# Altium PCB ADC130MSPS-V1-01.PcbDoc (part 7 of 7)
Units mil, origin at the board's own origin, x right, y up, seen from the top; angles counter-clockwise.
Board outline 3011.81 x 2716.54 mil, 8 copper layers (Top Layer, GND1, L3, GND2, L5, GND3, POWER, Bottom Layer), stack 53.051 mil thick; 405 components, 449 nets, 2142 pads, 1651 vias.
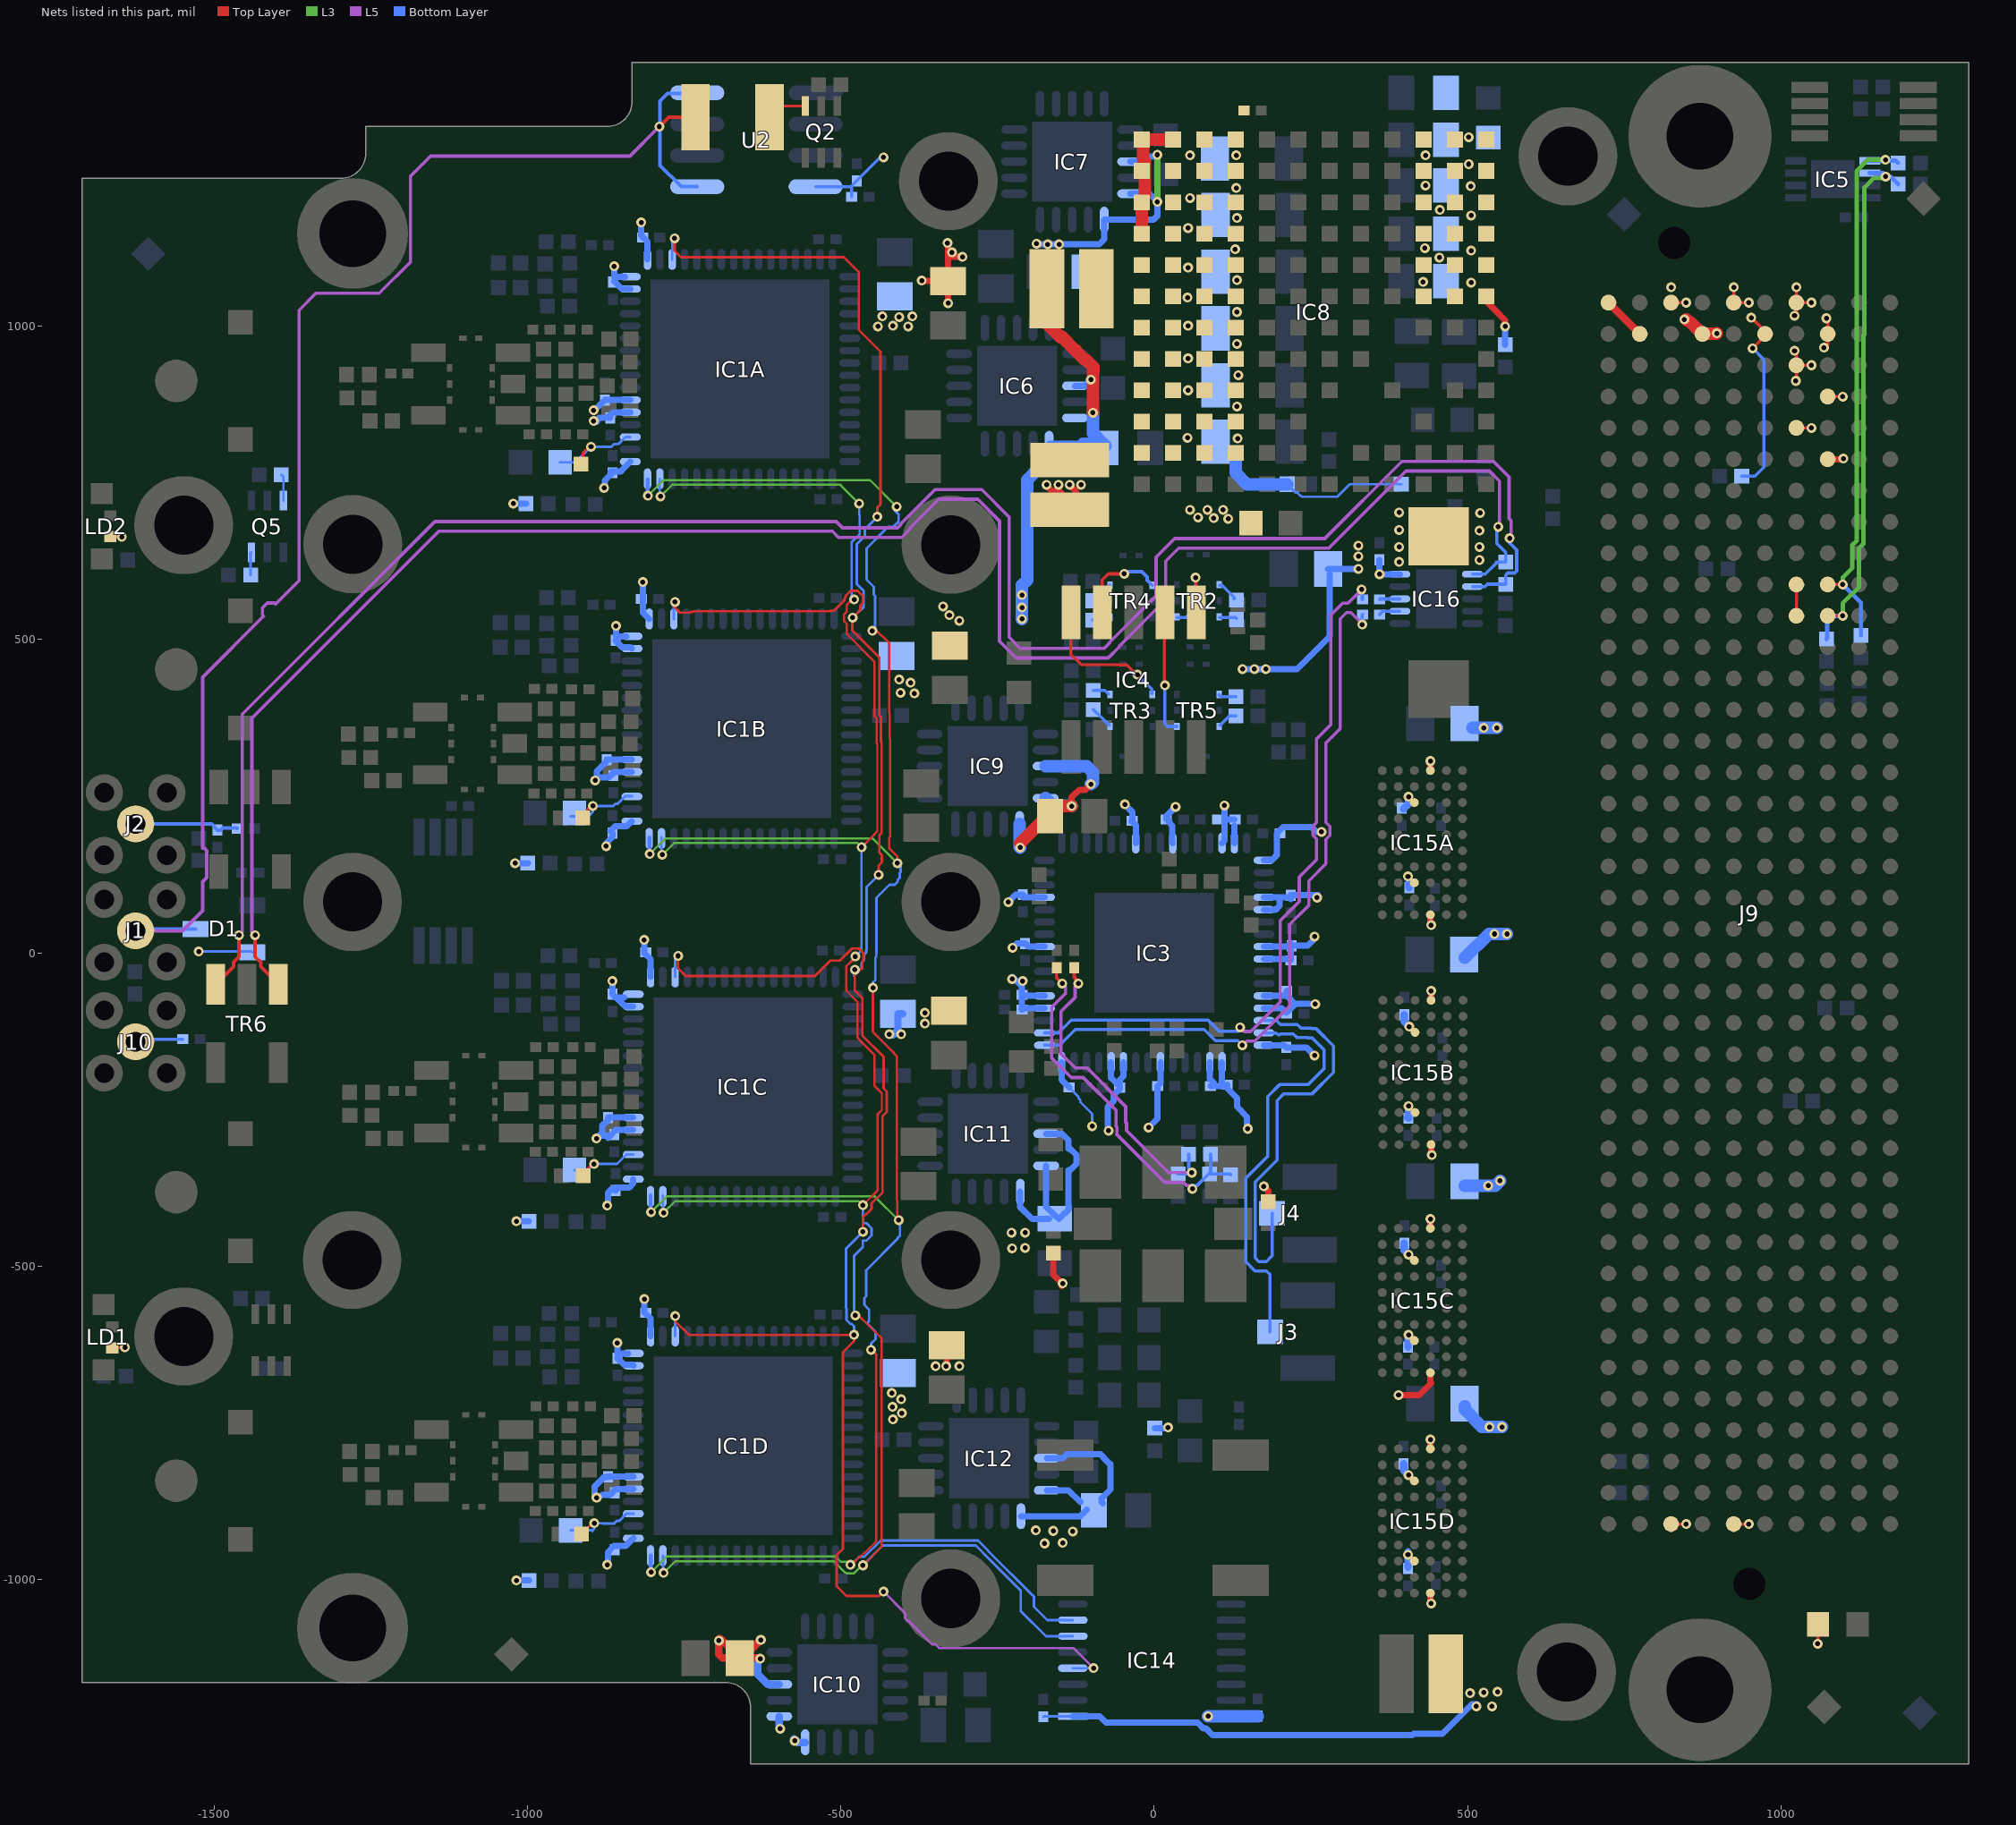
[diagram p13: the nets of this part, all layers, seen from the top]

## Via types
v1: diameter 15.75, hole 7.87, Top Layer to Bottom Layer, tented both sides, 1222 vias
v2: diameter 19.68, hole 7.87, Top Layer to Bottom Layer, tented both sides, 285 vias
v3: diameter 15.75, hole 7.87, Top Layer to Bottom Layer, 144 vias

## Nets (pads, with @x,y where several pads share a name; then routed paths per layer and width w, separated by ;. In a path a pad name is that pad's centre, name@x,y a point inside that pad or via, vN(x,y) a via of type N, cw(c..) or ccw(c..) an arc to the next point about the centre after c; other vN are vias at no path point) (continued)
NetQ2_6: Q2.6 R87.1 | length 64.4
  Top Layer w4: R87.1@-613.94,1334 -595.94,1352 Q2.6@-557,1352
NetQ5_3: Q5.3 R84.1 | length 36.8
  Bottom Layer w4: R84.1@-1442.28,603 -1442.28,638.22 Q5.3@-1441.18,639.32
NetQ5_6: Q5.6 R85.1 | length 42.6
  Bottom Layer w4: R85.1@-1393.39,763.15 -1390,759.76 Q5.6@-1390,722
P1V8: C21A.2 C21B.2 C21C.2 C21D.2 C22A.2 C22B.2 C22C.2 C22D.2 C92.2 IC10.1 IC10.3 IC10.20 IC15A.A3 IC15A.C4 IC15A.H4 IC15A.K3 IC15B.A3 IC15B.C4 IC15B.H4 IC15B.K3 IC15C.A3 IC15C.C4 IC15C.H4 IC15C.K3 IC15D.A3 IC15D.C4 IC15D.H4 IC15D.K3 L4A.1 L4B.1 L4C.1 L4D.1 | length 696.9
  Top Layer w10: v1(390,-706) 423,-706 442,-687 440.8,-685.79 IC15C.A3@440.8,-670.37 ; IC15D.A3@440.8,-1022.38 440.8,-1037.8 v1(442,-1039) ; IC15D.K3@440.8,-792.06 440.8,-784.27 440.75,-784.23 441,-783.98 v1(441,-777) ; IC15C.K3@440.8,-440.06 440.8,-432.27 440.75,-432.22 441,-431.97 v1(441,-425) ; IC15A.A3@440.8,60.62 440.8,45.2 v1(442,44) ; IC15A.K3@440.8,290.94 440.8,298.73 440.75,298.77 441,299.02 v1(441,306) ; IC15B.A3@441.82,-306.22 441.82,-321.64 v1(443.02,-322.84) ; IC15B.K3@441.82,-75.91 441.82,-68.12 441.77,-68.07 442.02,-67.82 v1(442.02,-60.84)
  Top Layer w12: v1(-629,-1127) -630,-1126 C92.2@-657,-1126 ; v1(-628,-1097) C92.2@-657,-1126 ; C92.2@-661.57,-1126 -689,-1126 -694,-1121 -695,-1120 v1(-695,-1098) -695,-1097 -695,-1095 -692.57,-1095 C92.2@-661.57,-1126 ; C92.2@-661.57,-1126 C92.2@-657,-1126
  Bottom Layer w12: v1(-629,-1127) -633,-1127 -633,-1152 -617,-1168 IC10.3@-598.52,-1168 ; IC10.1@-598.52,-1219.18 -598.52,-1237.48 v1(-597,-1239) ; v1(-574,-1258) -574,-1256 -575,-1255 -569.48,-1260.52 IC10.20@-557.18,-1260.52 ; v1@-417,-131 -409.08,-123.08 L4C.1@-409.08,-97.56 L4C.1@-401.44,-97.56 ; C22D.2@398,-815.78 398,-826 v1(406,-834) ; C22A.2@398,229.78 406,237.78 v1(406,249) ; C22C.2@399,-463.78 399,-475 v1@403,-479 ; C22B.2@399,-98.78 399,-109.82 v1(407.02,-117.84) ; v1@404,-962 v1@405,-963 ; C21B.2@404.78,-263 C21B.2@406,-264.22 v1(406.02,-244.84) ; C21D.2@405,-981 v1@405,-956.78 ; C21C.2@405,-629.22 405,-613 v1@407,-611 ; v1(405,122) 407,120 C21A.2@407,103.78
  other v1: 405,-961 -417,-745 -403,-735 -418,-725 -404,-713 -419,-703 406,-610 406,-482 -423,-130 -404,-130 -383,414 -405,415 -389,431 -407,436 -441,1000 -393,1000 -417,1001 -407,1015 -434,1016 -386,1016
P3V3: C37.2 C103.1 C104.1 D1.2 IC14.1 J9.c39 J9.d36 J9.d38 J9.d40 L9.1 LD1.2 LD2.2 R74.1 U2.8 | length 1245.3
  Top Layer w4: LD2.2@-1666.22,664.27 -1648.27,664.27 v1(-1648,664) ; LD1.2@-1663.22,-630.73 -1643.73,-630.73 v1(-1643,-630)
  Top Layer w5: v1(1022,961) 1024.92,958.08 J9.d38@1024.92,938.01 ; v1(1022,1017) 1024.92,1019.92 J9.d40@1024.92,1038.01 ; v1(1024,913) 1024.92,913.92 J9.d38@1024.92,938.01 ; J9.d36@1024.92,838.01 v1(1049,838) ; v1(1024.92,1062.48) J9.d40@1024.92,1038.01 ; v1(1049,938) J9.d38@1024.92,938.01 ; v1(1049,1038) J9.d40@1024.92,1038.01 ; v1(1059,-1103) 1059.5,-1102.5 R74.1@1059.5,-1072 ; v1(1069,966) 1074.92,971.92 J9.c39@1074.92,988.01 1074.92,1011.08 v1(1073,1013)
  Bottom Layer w4: v1(-1525,2) -1441.13,2 D1.2@-1439.72,0.6 ; C37.2@-177,-1219.78 -176.22,-1219 IC14.1@-130,-1219
  Bottom Layer w5: U2.8@-540.51,1223 -484.22,1223 ; C103.1@-482.78,1207 -482.78,1221.56 -484.22,1223 ; v1(-432,1270) -437.22,1270 C104.1@-475,1232.22 -484.22,1223
  Bottom Layer w10: IC14.1@-130,-1219 -87,-1219 -77,-1229 69.13,-1229 78.13,-1238 82,-1238 93,-1249 412,-1249 414,-1247 460,-1247 507,-1200 v1@516,-1200
  other v1: 514,-1203 539,-1203 504,-1182 526,-1181 548,-1180
P3V3_ADC1: C14A.2 C15A.2 C16A.2 C17A.2 C18A.2 IC1A.1 IC1A.5 IC1A.6 IC1A.15 IC1A.16 IC1A.17 L3.2 R13A.1 | length 517.8
  Top Layer w10: v1(-371,1073) -370.43,1072.43 L3.2@-329,1072.43 ; v1(-330,1133) -329,1132 -329,1111 ; v1(-329,1037) L3.2@-329,1072.43 ; v1(-306,1111) -329,1111 ; L3.2@-329,1072.43 -329,1111
  Bottom Layer w10: v1(-1023,717) R13A.1@-1002.72,717 ; v1@-896,866 v1(-895,866) -893.26,866 C17A.2@-876.87,882.39 -876.74,882.52 IC1A.6@-836.39,882.52 ; v1(-895,849) v1@-891,849 ; v1@-890,848 v1@-891,849 ; v1(-878,742) -877,743 -877,754.22 C14A.2@-865,766.22 -867.3,768.52 -851.48,768.52 -850,770 -850,770.49 IC1A.1@-836.39,784.09 ; C18A.2@-868,853.78 C18A.2@-873.32,853.78 ; C16A.2@-862.05,1071.78 -849.96,1059.69 IC1A.15@-836.39,1059.69 ; v1(-861.91,1096) -861.91,1079.05 IC1A.16@-844.95,1079.05 ; IC1A.5@-836.39,862.83 -864.27,862.83 C18A.2@-873.32,853.78 ; v1(-818.91,1166) -818.68,1165.78 -818.68,1145 -808.98,1135.3 -808.98,1107.08 IC1A.17@-808.83,1106.93 ; v1@-891,849 -886.22,853.78 C18A.2@-873.32,853.78
  other v1: -323,1118
P3V3_ADC2: C14B.2 C15B.2 C16B.2 C17B.2 C18B.2 IC1B.1 IC1B.5 IC1B.6 IC1B.15 IC1B.16 IC1B.17 L6.2 R13B.1 | length 351.5
  Bottom Layer w10: v1(-1020.28,143) R13B.1@-1000,143 ; v1@-890,279 -890,290 -874.16,305.84 C17B.2@-874.16,308.39 -874.02,308.52 IC1B.6@-833.68,308.52 ; -883.5,279.78 -870.61,279.78 -861.55,288.83 IC1B.5@-833.68,288.83 ; v1(-875,170) -875,175 -865,185 C14B.2@-865,191.22 -868.14,194.36 -860.58,201.92 -841.85,201.92 IC1B.1@-833.68,210.09 ; v1(-859.19,522) -859.19,505.05 IC1B.16@-842.24,505.05 ; IC1B.15@-833.68,485.69 -836.07,488.08 -849.63,488.08 C16B.2@-859.34,497.78 ; v1(-816.19,592) -815.97,591.78 -815.97,542.78 IC1B.17@-806.12,532.93 ; C16B.2@-859.34,497.78 -860,498.44 C16B.2@-860,498.78 -859.34,498.11 C16B.2@-859.34,497.78
  other v1: -892.28,275 -311,530 -327,539 -337,553
P3V3_ADC3: C14C.2 C15C.2 C16C.2 C17C.2 C18C.2 IC1C.1 IC1C.5 IC1C.6 IC1C.15 IC1C.16 IC1C.17 L12.2 R13C.1 | length 363.1
  Bottom Layer w10: v1(-1018.2,-428.57) R13C.1@-997.92,-428.57 ; v1@-886,-292 -881,-287 -881,-276 -872.08,-267.08 C17C.2@-872.08,-263.19 -871.95,-263.06 IC1C.6@-831.6,-263.06 ; -881.43,-291.8 C18C.2@-868.53,-291.8 ; v1(-873.2,-403.57) -872.2,-402.57 -872.2,-383.35 C14C.2@-864.31,-375.46 ; -872.08,-295.35 C18C.2@-868.53,-291.8 ; v1(-865,-45) C16C.2@-865,-66.22 -860,-71.22 C16C.2@-858.78,-71.22 ; C14C.2@-860,-379.78 C14C.2@-855.33,-375.11 ; C14C.2@-853.98,-375 -838,-375 -831.6,-368.6 IC1C.1@-831.6,-361.48 ; -846.27,-71.22 C16C.2@-858.78,-71.22 ; IC1C.5@-831.6,-282.74 -859.47,-282.74 C18C.2@-868.53,-291.8 ; IC1C.15@-831.6,-85.89 -843.71,-85.89 -846.94,-82.65 -847.35,-82.65 C16C.2@-858.78,-71.22 ; v1(-814.11,20.43) -813.89,20.2 -813.89,-0.57 -804.19,-10.28 -804.19,-38.5 IC1C.17@-804.04,-38.65
  other v1: -890.2,-296.57 -366,-113 -366,-96
P3V3_ADC4: C14D.2 C15D.2 C16D.2 C17D.2 C18D.2 IC1D.1 IC1D.5 IC1D.6 IC1D.15 IC1D.16 IC1D.17 L13.2 R13D.1 | length 393.2
  Top Layer w10: v1(-332,-660) -331,-659 L13.2@-331,-626.57
  Bottom Layer w10: v1(-1018.09,-1002) R13D.1@-997.81,-1002 ; v1(-890.09,-870) -893.22,-866.87 -893.22,-852.28 -877.56,-836.61 C17D.2@-871.97,-836.61 -871.84,-836.48 IC1D.6@-831.49,-836.48 ; -881.32,-865.22 -868.42,-865.22 -859.36,-856.17 IC1D.5@-831.49,-856.17 ; v1(-873.09,-977) -872.09,-976 -872.09,-956.78 -862.39,-947.08 -843.66,-947.08 IC1D.1@-831.49,-934.91 ; C16D.2@-857.15,-647.22 C16D.2@-857,-647.22 -857,-647.37 -846.45,-657.92 -832.88,-657.92 IC1D.15@-831.49,-659.31 ; v1(-857,-623) -857,-639.95 IC1D.16@-840.05,-639.95 ; v1(-814,-553) -813.78,-553.22 -813.78,-574 -804.08,-583.7 -804.08,-611.92 IC1D.17@-803.93,-612.07
  other v1: -349,-660 -311,-660
P3V3_CLK: C50.1 C59.2 C60.2 C61.2 C62.2 C63.2 C64.2 C65.2 C66.2 C67.2 C68.2 C69.2 C70.2 C71.2 C72.2 C105.2 C106.2 C107.2 C108.2 C109.2 C110.2 IC3.4 IC3.5 IC3.9 IC3.13 IC3.23 IC3.26 IC3.30 IC3.31 IC3.33 IC3.36 IC3.37 IC3.40 IC3.41 IC3.44 IC3.45 IC3.48 IC3.51 IC3.52 IC3.56 IC3.59 IC3.60 IC3.64 IC16.10 L7.2 L8.1 R49.2 R50.2 | length 2226.5
  Top Layer w10: R49.2@-161,-479.72 -161,-514 -147,-528 v1@-147,-531 ; v1@-148,-532 v1@-147,-531 ; v1(-146,-528) -146,-530 v1@-147,-531 ; v1(175,-373) 182,-380 R50.2@182,-397.28 ; v1@256,23 v1(256,26)
  Bottom Layer w4: C107.2@-135.78,-215 -121,-229.78 -121,-232 -118.22,-234.78 -118.22,-237.92 -116.87,-239.27 -116.87,-239.33 -99,-257.21 v1(-99,-277)
  Bottom Layer w10: v3(-233,81) -221.22,92.78 C60.2@-210,92.78 ; v1(-227,-42) -227,-38.87 -226.13,-38.87 -211.22,-53.78 ; v1(-226,8) -219.22,14.78 C69.2@-206,14.78 -201.06,9.84 IC3.9@-175.2,9.84 ; v1(-210,-45) -210,-46 -211.22,-47.22 -211.22,-53.78 ; C60.2@-210,88.58 IC3.13@-175.2,88.58 ; IC3.4@-175.2,-88.58 -208.8,-88.58 C59.2@-211.22,-91 -211.22,-70.8 C68.2@-209.32,-68.9 ; IC3.5@-175.2,-68.9 C68.2@-209.32,-68.9 ; IC3.64@-147.64,-175.2 -147.64,-203.14 C107.2@-135.78,-215 ; v1(-73,-284) -74,-283 -74,-246 -65,-237 -65,-227.29 -55.12,-217.41 C108.2@-55.12,-215.32 C108.2@-55.12,-213.42 ; IC3.60@-68.9,-175.2 -68.9,-199.64 -64.82,-203.72 -60.38,-208.16 C108.2@-55.12,-213.42 ; IC3.59@-49.21,-175.2 -49.21,-196.99 -55.12,-202.9 C108.2@-55.12,-213.42 ; v1(-47,237) -35.22,225.22 C67.2@-35.22,211 ; C67.2@-36,210 -29.53,203.53 IC3.23@-29.53,175.2 ; v3(-9,-279) 5.22,-264.78 C105.2@5.22,-213 9.84,-208.38 IC3.56@9.84,-175.2 ; L8.1@1,-758.89 19.11,-758.89 20,-758 v1(22,-758) ; C70.2@19.22,213 19.22,218.22 v1(34,233) ; C70.2@23,212 23,209 28.92,203.08 28.92,175.8 IC3.26@29.53,175.2 ; IC3.52@88.58,-175.2 88.58,-201.36 C110.2@95,-207.78 ; C110.2@89.78,-213 108.22,-213 C109.2@108.27,-212.95 ; IC3.51@108.27,-175.2 C109.2@108.27,-212.95 ; IC3.30@108.27,175.2 112,178.93 112,213 ; v3(112,235) 112,213 ; IC3.31@127.95,175.2 127.95,202.95 ; C65.2@128,213 112,213 ; v3(141,453) 228,453 280,505 L7.2@280,604 ; v3(149,-281) 148,-282 148,-261.87 132,-245.87 132,-231.95 116.22,-216.17 C109.2@116.22,-211 114.27,-212.95 C109.2@108.27,-212.95 ; IC3.48@175.2,-147.64 207.42,-147.64 C106.2@211,-151.22 243.22,-151.22 v1(256,-164) ; IC3.45@175.2,-88.58 203.58,-88.58 211,-96 224.41,-82.59 225.15,-82.59 226.61,-81.13 ; IC3.44@175.2,-68.9 211.22,-68.9 ; IC3.41@175.2,-9.84 216.06,-9.84 C62.2@218.22,-12 218.22,10.44 C63.2@219,11.22 245.22,11.22 256,22 v1(256,26) ; IC3.40@175.2,9.84 212.06,9.84 C63.2@218.22,16 ; IC3.37@175.2,68.9 193.9,68.9 200,75 200,88.58 ; IC3.36@175.2,88.58 200,88.58 ; IC3.33@175.2,147.64 175.56,148 188,148 196,156 196,191 205.87,200.87 251.13,200.87 259,193 v3(267,193) ; C66.2@211.22,-61 211.22,-68.22 225,-82 225.87,-81.13 226.61,-81.13 ; C72.2@218,91.78 261.22,91.78 263,90 262,90 v1(260,88) ; C72.2@218.22,86 215.64,88.58 200,88.58 ; 248,-81.13 226.61,-81.13 ; L7.2@277.43,613 v3(326,613) ; C50.1@359,627.22 359,605 v3(359.63,604.37) IC16.10@391.93,604.37 ; -211.22,-53.78 C68.2@-211.22,-67 C68.2@-209.32,-68.9
  other v1: 257,-82
  other v3: 160,453 178,453 326,633 326,650
P4V0: C27.1 C32.1 C33.1 C34.1 C44.2 C52.1 C81.1 C82.1 C96.2 IC8.J1 IC8.J2 IC8.J3 IC8.J4 IC8.J5 IC8.J6 IC8.J7 IC8.J8 IC8.J9 IC8.J10 IC8.J11 IC8.K1 IC8.K2 IC8.K3 IC8.K4 IC8.K5 IC8.K6 IC8.K7 IC8.K8 IC8.K9 IC8.K10 IC8.K11 IC8.L1 IC8.L2 IC8.L3 IC8.L4 IC8.L5 IC8.L6 IC8.L7 IC8.L8 IC8.L9 IC8.L10 IC8.L11 IC8.M1 IC8.M2 IC8.M3 IC8.M4 IC8.M5 IC8.M6 IC8.M7 IC8.M8 IC8.M9 IC8.M10 IC8.M11 L10.1 L15.1 R81.1 | length 508.9
  Top Layer w20: IC8.M4@-20,1148 IC8.M3@-20,1198 ; IC8.M3@-15,1209.93 -15,1263.07 -16.87,1264.94 -16.87,1265.87 -18,1267 -18,1296 IC8.M1@-20,1298 IC8.L1@30,1298
  Bottom Layer w4: C96.2@212.28,748 225.41,734.87 228.75,734.87 229.51,734.11 229.51,733.31 233.03,729.8 233.83,729.8 235.62,728 292,728 312,748 R81.1@394.28,748
  Bottom Layer w20: 130,796 130,766 148,748 C96.2@212.28,748
  other v1: 118,693 95,694 70,695 57,707 85,707 110,707 133,821 53,822 132,872 54,898 134,922 54,949 132,972 54,1001 132,1023 53,1046 132,1074 54,1094 129,1123 54,1157 132,1173 57,1205 131,1221 57,1273 131,1273
P4V0_1: C75.2 C76.2 C85.2 IC6.13 IC6.15 IC6.16 IC7.13 IC7.15 IC7.16 IC9.13 IC9.15 IC9.16 L10.2 | length 1478.3
  Top Layer w10: v3(-132,234) -132,248.55 -126.55,254 -126,254 -119.87,260.13 -109.87,260.13 v3@-101.13,268.87
  Top Layer w20: v3@-214,175 -171,218 C85.2@-166.43,218 -150.43,234 v3(-132,234) ; L10.2@-171,1015 -171,1004 -150,983 -147.3,983 -126.15,961.85 -124.85,961.85 -124.84,960.54 -111.46,947.16 -109.16,947.16 -97,935 -97,928 ; v1@-98,864 -98,928
  L3 w10: v1(5,1199) 2,1199 6,1203 5,1204 v1(5,1274)
  Bottom Layer w10: v1(-188,1132) -187,1131 -88,1131 -79.82,1139.18 IC7.16@-79.82,1170.48 -1.05,1170.48 5,1176.53 v1(5,1199) -7.82,1211.82 IC7.15@-38.48,1211.82 ; IC6.16@-167.82,812.48 -113.52,812.48 ; IC6.13@-126.48,905 -111,905 v1(-101,915) ; IC7.13@-38.48,1263 -15,1263 -7,1271 5,1271 v1(5,1274)
  Bottom Layer w20: IC9.16@-214.82,205.48 -214.82,168.82 v3(-214,168) ; v3(-211,533) -211,587 -203,595 -203,755 -184,774 -152,774 -113.52,812.48 C75.2@-81.05,812.48 ; IC9.15@-173.48,246.82 -161.66,235 -132,235 v3(-132,234) ; IC9.13@-173.48,298 -108,298 -98,288 -98,272 v3(-101,269) ; v1(-98,862) -98,829.43 C75.2@-81.05,812.48 ; C75.2@-78,809.43 C75.2@-81.05,812.48
  other v1: -170,1131 -152,1131
  other v3: -211,551 -211,571
P4V0_2: C95.2 C100.2 IC11.13 IC11.15 IC11.16 IC12.13 IC12.15 IC12.16 L15.2 | length 859.2
  Top Layer w10: v1@-174,748 -136.63,710.63 L15.2@-125,710.63 ; v1@-154,748 -154,739.63 L15.2@-125,710.63 ; v1@-137,748 -125,736 L15.2@-125,710.63
  Bottom Layer w10: IC11.16@-213.82,-381.52 -213.82,-406.18 -195,-425 C95.2@-168,-425 ; IC12.16@-212.82,-899.52 -118.52,-899.52 C100.2@-108,-889 ; IC11.15@-172.48,-340.18 -172.48,-405.52 C95.2@-157,-421 ; IC11.13@-172.48,-289 -147,-289 -137,-299 -137,-313.13 -134.01,-313.13 -124.13,-323.01 -124.13,-336.99 -134.01,-346.87 -137,-346.87 -137,-403.07 -136,-404.07 -136,-409 C95.2@-152,-425 ; IC12.15@-171.48,-858.18 -136.82,-858.18 -118,-877 ; IC12.13@-171.48,-807 -146,-807 -140,-801 ; -140,-800.8 -85.59,-800.8 -80.31,-806.07 -80.31,-806.69 -71,-816 -70,-816 -70,-857 -84,-871 -84,-877 C100.2@-82,-879
  other v1: -175,-943 -146,-942 -130,-924 -161,-923 -189,-922 -227,-472 -206,-471 -228,-447 -206,-447 -172,747 -153,747 -135,747 -117,747
P12V0: C28.1 C30.2 C35.1 C36.1 C38.2 C51.2 C88.2 IC8.A1 IC8.A2 IC8.A3 IC8.A4 IC8.A5 IC8.A6 IC8.B1 IC8.B2 IC8.B3 IC8.B4 IC8.B5 IC8.B6 IC8.C1 IC8.C2 IC8.C3 IC8.C4 IC8.C5 IC8.C6 J9.c35 J9.c37 R79.1 | length 139.3
  Top Layer w5: J9.c37@1074.92,888.01 v1(1099,888)
  Top Layer w10: IC8.A6@530,1048 530,1040 546,1024 560,1010 v1(560,1000) ; J9.c35@1074.92,788.01 1099.01,788.01 v1(1100,789)
  Bottom Layer w10: R79.1@560,970.72 v1(560,1000)
  other v1: 391,624 519,627 391,648 519,648 519,674 391,675 520,702 391,703 506,1070 429,1071 455,1110 506,1121 432,1125 506,1177 456,1186 505,1224 433,1225 502,1259 433,1273 502,1302
PASSIVE1_CLK_N: R57.1 TR4.6 | length 29.2
  Bottom Layer w4.98: R57.1@-98.28,531 -79,531 TR4.6@-72,538
PASSIVE1_CLK_P: R56.1 TR4.8 | length 34.6
  Bottom Layer w4.98: R56.1@-95,562 -70.86,586.14 TR4.8@-70.86,586.59
PASSIVE2_CLK_N: R41.1 TR3.6 | length 36.3
  Bottom Layer w4.98: R41.1@-97.28,388 -97,388 -83.3,374.3 -83.2,374.3 -79.98,371.09 -79.98,370.98 -74,365 -73,365 -72,364 TR3.6@-72,363
PASSIVE2_CLK_P: R33.1 TR3.8 | length 26.8
  Bottom Layer w4.98: R33.1@-97.28,419 -79,419 TR3.8@-73,413
PASSIVE3_CLK_N: R61.1 TR2.6 | length 34.8
  Bottom Layer w5: TR2.6@103.86,586.59 108.41,586.59 127,568 127,565 R61.1@128,565
PASSIVE3_CLK_P: R60.1 TR2.8 | length 27.7
  Bottom Layer w5: TR2.8@103.86,535.41 129.59,535.41 R60.1@131,534
PASSIVE4_CLK_N: R59.1 TR5.6 | length 28.5
  Bottom Layer w5: TR5.6@103,412 106,409 R59.1@130.28,409
PASSIVE4_CLK_P: R58.1 TR5.8 | length 31.5
  Bottom Layer w5: TR5.8@105,363 120,378 R58.1@130.28,378
PG_M2C: J9.f1 | length 24.1
  Top Layer w5: J9.f1@924.92,-911.99 v1(949,-912)
PGA_1_0: IC1A.64 IC1B.64 IC1C.64 IC1D.64 IC14.7 | length 4000.9
  Top Layer w3.5: -478.62,-972.36 -470.64,-964.38 -469.38,-964.38 -463,-958 -462,-958 -452.75,-948.75 -452.36,-948.75 -444.38,-940.77 -444.38,-940.38 -444,-940 -444,-641 -454.02,-630.98 -456,-632.96 -456,-634 v1(-452,-634) ; v1(-450,514) -449,515 -449,516 -447,518 -422.92,493.92 -422.92,382.91 -422.5,382.49 -422.5,365.51 -422.5,342.49 -421.5,341.49 -421.5,324.51 -421.5,185.51 -422.92,184.09 -422.92,166.3 -410,153.38 v1(-410,143) ; -411,-165 -411,-395 -410.29,-395.71 -410.29,-424.71 v1(-408,-427)
  Top Layer w4: v1(-449,-56) -449,-126.37 -416,-159.37 -416,-160.22 -411.22,-165
  L3 w3.5: v1(-808.07,729.57) -782.96,754.67 -453.67,754.67 v1(-411,712) ; v1(-805.19,157.54) -780.08,182.64 -449.64,182.64 v1(-410,143) ; v1(-803.11,-414.04) -778,-388.93 -446.07,-388.93 v1(-408,-427) ; v1(-803,-989) -777.89,-963.89 -508.5,-963.89 -500.15,-972.25 -489.75,-972.25 v1(-485,-977)
  Bottom Layer w4: v1(-485,-977) -483.62,-977 -470.75,-964.13 -462.44,-964.13 -436.52,-938.2 -281.48,-938.2 -264.69,-955 -264.69,-955.31 -192,-1028 -192,-1044 -170.54,-1065.46 IC14.7@-130,-1065.46 ; v1(-452,-634) -452,-623.81 -444.94,-616.75 -444.94,-605.25 -458.63,-591.56 -455.13,-588.06 -455.13,-569.94 -462.87,-562.19 -462.87,-551.25 -460,-548.38 -460,-506.87 -409.42,-456.3 -409.42,-455.05 -406.33,-451.95 -405.94,-451.95 -405.94,-429.06 v1(-408,-427) ; v1(-450,514) -445.7,518.3 -445.7,570.01 -447.78,572.09 -447.78,584.16 -459,595.37 -459,645.69 -424.56,680.13 -416.25,680.13 -408.13,688.25 -408.13,699.75 -413.69,705.31 -413.69,709.31 v1(-411,712) ; v1(-449,-56) -449,-47.27 -445.05,-43.32 -445.05,-7.99 -443.62,-6.56 -443.62,-1.57 -443.19,-1.14 -443.19,87.85 -422.48,108.56 -414.18,108.56 -409.42,113.31 -409.42,116.36 -406.05,119.74 -406.05,127.95 -405,129 -405,138 v1(-410,143)
  Bottom Layer w6.39: IC1A.64@-809,756.1 -809,730.5 v1(-808.07,729.57) ; IC1B.64@-806.12,184.07 -806.12,158.46 v1(-805.19,157.54) ; IC1C.64@-804.04,-387.5 -804.04,-413.11 v1(-803.11,-414.04) ; IC1D.64@-803.93,-962.46 -803.93,-988.07 v1(-803,-989)
RAND_ON_OFF: IC1A.63 IC1B.63 IC1C.63 IC1D.63 IC14.6 | length 3708
  Top Layer w3.5: v1@-481,565 -491.16,554.84 -491.16,544.32 -494.94,540.54 -494.94,529.25 -490.95,525.26 -490.95,508.95 -446.42,464.42 -446.42,377.42 -443,374 -443,334 -442,333 -442,194 -446.42,189.58 ; v1(-477,-6) -481.84,-10.84 -481.84,-13.38 -483.64,-13.38 -491.62,-21.36 -491.62,-60.42 -473.75,-78.29 -473.75,-135.21 -471.25,-137.71 -471.25,-138.56 -446.48,-163.33 -446.48,-212.72 -434.81,-224.39 -434.81,-251.06 -441.38,-257.63 -441.38,-379.31 v1(-465.11,-403.04) ; v1@-471.81,-579 -453.44,-597.38 -453.17,-597.38 -445.19,-605.36 -445.19,-605.62 -435,-615.81 -435,-948 v1(-465,-978) ; v1(-467.19,168.54) -446.42,189.3 -446.42,189.58 ; -447,189 -446.42,189.58
  L3 w3.5: v1(-788.07,728.54) -769.44,747.17 -501.17,747.17 v1(-471,717) ; v1(-785.19,156.51) -766.56,175.14 -473.79,175.14 v1(-467.19,168.54) ; v1(-783.11,-415.06) -764.48,-396.43 -471.72,-396.43 v1(-465.11,-403.04) ; v1(-783,-990.02) -764.37,-971.39 -511.61,-971.39 -493.23,-989.77 -491.5,-989.77 -490.64,-990.62 -479.36,-990.62 -471.38,-982.64
  Bottom Layer w4: IC1A.63@-789.31,756.1 -789.31,729.79 v1(-788.07,728.54) ; IC1B.63@-786.43,184.07 -786.43,157.76 v1(-785.19,156.51) ; IC1C.63@-784.35,-387.5 -784.35,-413.82 v1(-783.11,-415.06) ; IC1D.63@-784.24,-962.46 -784.24,-988.78 v1(-783,-990.02) ; v1(-479,564) -483,568 -483,655.63 -470.07,668.56 -470.07,698 -471,698.93 v1(-471,717) ; v1(-477,-579) -479,-579 -479,-483.89 -465.11,-470 -465.11,-459.45 -459.36,-459.45 -451.24,-451.32 -451.24,-439.83 -459.36,-431.7 -465.11,-431.7 v1(-465.11,-403.04) ; v1(-477,-6) -467.62,3.38 -467.62,8.37 -467.19,8.81 v1(-467.19,168.54) ; v1(-465,-978) -433.2,-946.2 -284.8,-946.2 -272.69,-958.31 -272.69,-958.63 -213,-1018.31 -213,-1051 -172.95,-1091.05 IC14.6@-130,-1091.05
REF_N: IC16.1 R20.1 TR6.3 | length 3170.7
  Top Layer w5.71: v1(-1435.13,28) -1435.13,-6.14 -1426.18,-15.08 -1426.18,-22.22 TR6.3@-1398,-50.4
  L5 w5.33: v1(-1435.13,28) -1440.34,33.21 -1440.34,374.66 -1142,673 -513.82,673 -503.96,663.14 -403.19,663.14 -389.4,676.92 -389.4,678.27 -343.67,724 -281.67,724 -247,689.33 -247,497.33 -220.35,470.67 -73.65,470.67 -56.07,488.26 -56.07,489.26 18.33,563.65 18.33,625.33 39,646 278.67,646 401.67,769 535,769 551,753 551,682 v3(549,680)
  Bottom Layer w5.33: IC16.1@508.07,604.37 528.21,604.37 546.21,622.37 546.21,623.72 R20.1@561,623.72 561,638.96 546.67,653.29 546.67,677.67 v3(549,680)
REF_P: IC16.2 R20.2 TR6.1 | length 3263.7
  Top Layer w5.71: TR6.1@-1498,-50.4 -1469.82,-22.22 -1469.82,-15.08 -1460.87,-6.14 v1(-1460.87,28)
  L5 w5.33: v1(-1460.87,28) -1455.66,33.21 -1455.66,381.01 -1148.35,688.33 -507.47,688.33 -497.61,678.46 -409.54,678.46 -404.73,683.27 -404.73,684.62 -350.02,739.33 -275.33,739.33 -231.67,695.67 -231.67,503.67 -214,486 -80,486 -71.39,494.61 -72.39,494.61 3,570 3,631.67 32.65,661.33 272.33,661.33 395.33,784.33 541.35,784.33 566.33,759.35 566.33,693 569.54,689.79 569.54,664.12 v3(567.21,661.79)